# KiCad board sl_v4.kicad_pcb
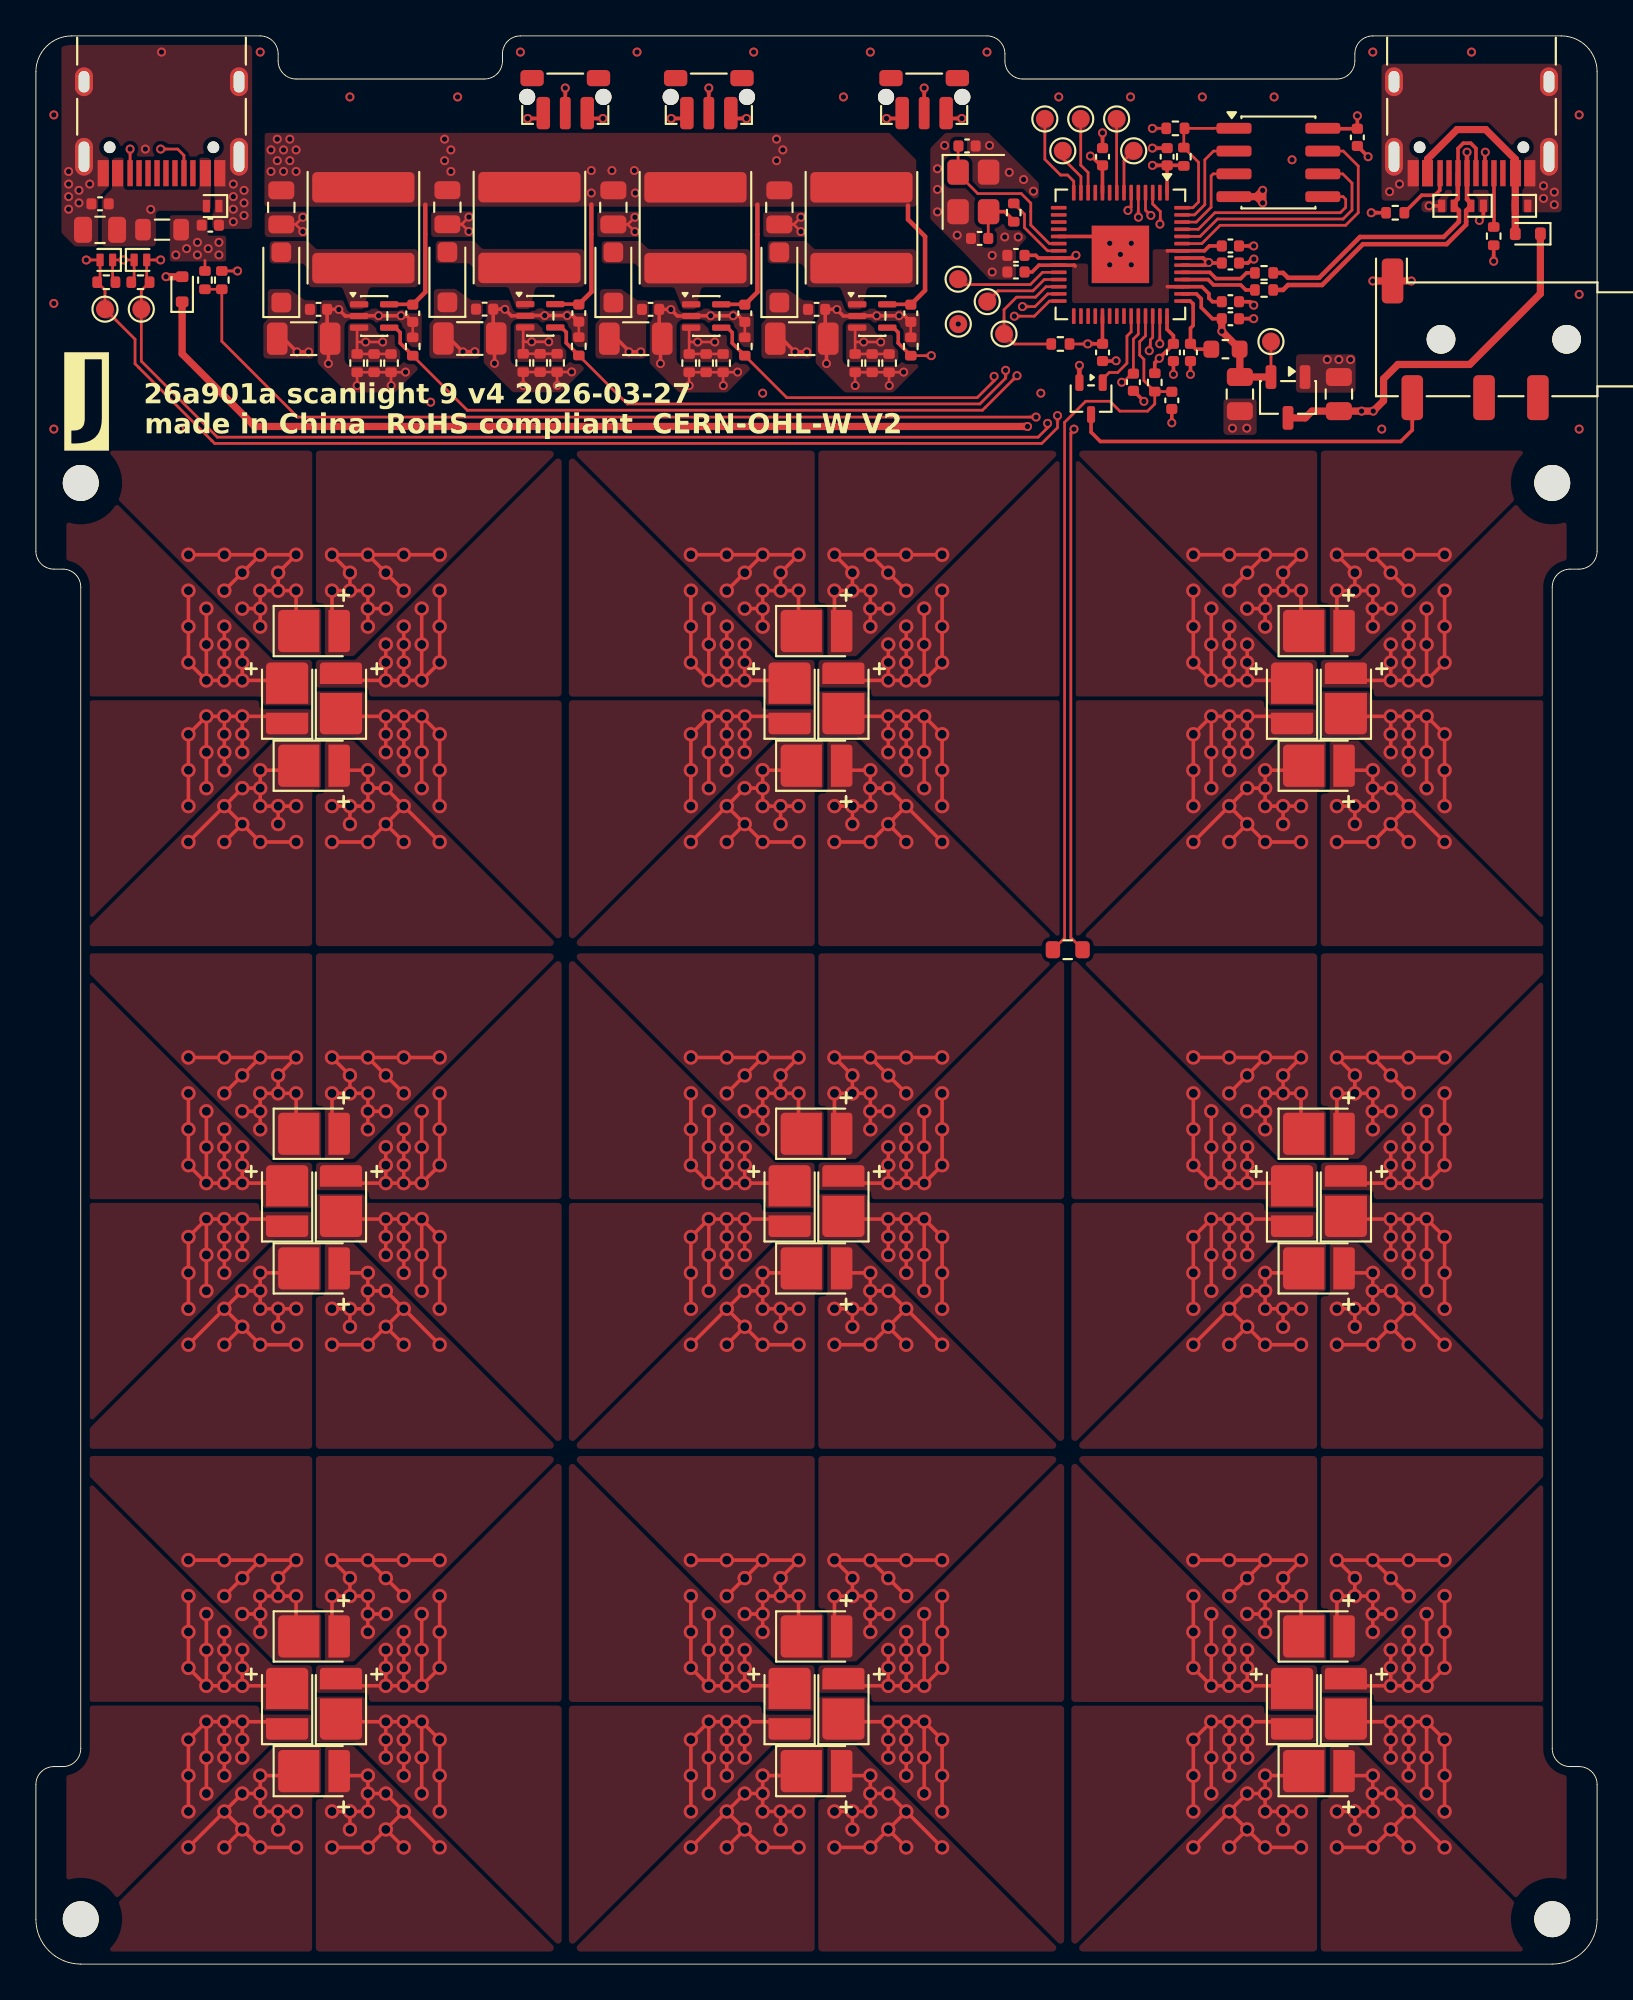
[diagram p0: board, top side]
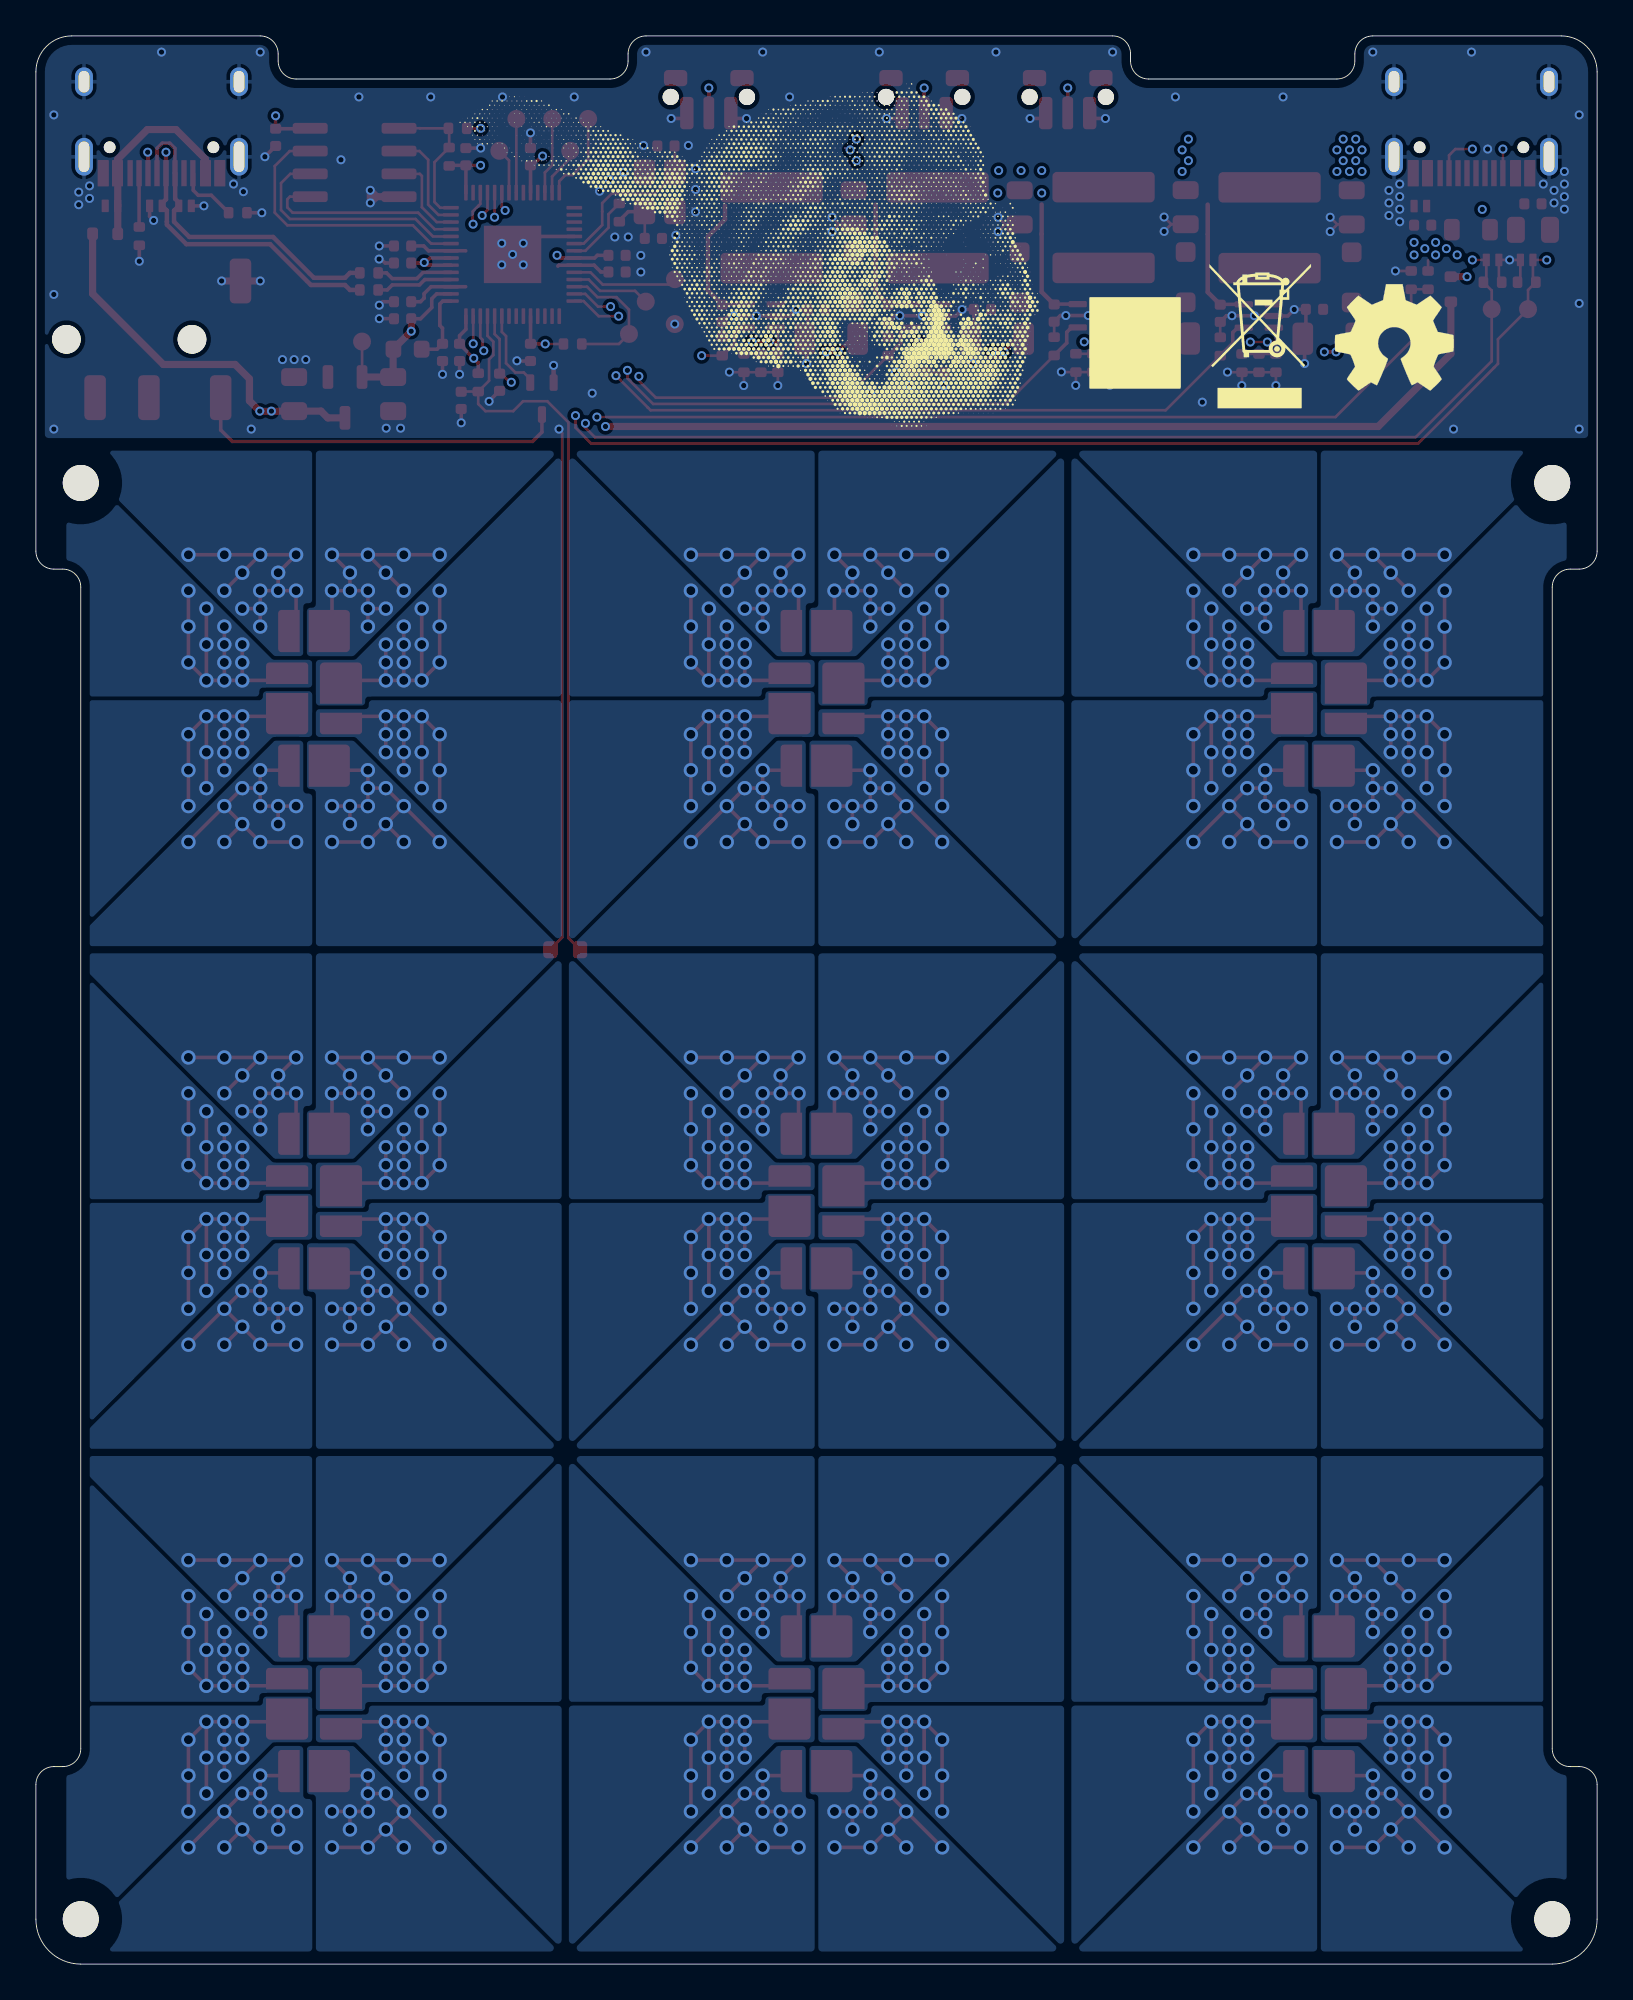
[diagram p1: board, bottom side, seen from below]

Outline 87 x 107.4 mm; copper layers: Top, In1.Cu, In2.Cu, Bottom. Coordinates in mm from the lower left corner of the outline.
Outline path: 0,105.4 arc(0.59,106.81) 2,107.4 12.5,107.4 arc(13.21,107.11) 13.5,106.4 13.5,106 arc(13.79,105.29) 14.5,105 25,105 arc(25.71,105.29) 26,106 26,106.4 arc(26.29,107.11) 27,107.4 53,107.4 arc(53.71,107.11) 54,106.4 54,106 arc(54.29,105.29) 55,105 72.5,105 arc(73.21,105.29) 73.5,106 73.5,106.4 arc(73.79,107.11) 74.5,107.4 85,107.4 arc(86.41,106.81) 87,105.4 87,78.7 arc(86.71,77.99) 86,77.7 85.5,77.7 arc(84.79,77.41) 84.5,76.7 84.5,12 arc(84.79,11.29) 85.5,11 86,11 arc(86.71,10.71) 87,10 87,2.5 arc(86.27,0.73) 84.5,0 2.5,0 arc(0.73,0.73) 0,2.5 0,10 arc(0.29,10.71) 1,11 1.5,11 arc(2.21,11.29) 2.5,12 2.5,76.7 arc(2.21,77.41) 1.5,77.7 1,77.7 arc(0.29,77.99) 0,78.7 0,105.4
Stack: Top 0.035mm / dielectric 0.1mm FR4 er 4.5 / In1.Cu 0.035mm / dielectric 1.24mm FR4 er 4.5 / In2.Cu 0.035mm / dielectric 0.1mm FR4 er 4.5 / Bottom 0.035mm

## Placement (name value [footprint] x y rotation side)
C101  0.1u  [C_0402_1005Metric]  66.57 95.7 0 top
C102  0.1u  [C_0402_1005Metric]  54.62 94.25 180 top
C103  0.1u  [C_0402_1005Metric]  59.44 89.77 270 top
C104  0.1u  [C_0402_1005Metric]  54.62 95.17 180 top
C105  0.1u  [C_0402_1005Metric]  63.39 89.77 270 top
C106  0.1u  [C_0402_1005Metric]  59.44 100.67 90 top
C107  0.1u  [C_0402_1005Metric]  66.56 94.75 0 top
C108  0.1u  [C_0402_1005Metric]  63.04 100.67 90 top
C109  2.2u  [C_0402_1005Metric]  66.56 92.59 0 top
C110  2.2u  [C_0402_1005Metric]  66.57 91.64 0 top
C111  2.2u  [C_0402_1005Metric]  64.34 89.77 270 top
C112  2.2u  [C_0402_1005Metric]  73.64 101.75 270 top
C113  15p  [C_0402_1005Metric]  51.89 101.27 180 top
C114  15p  [C_0402_1005Metric]  52.59 96.12 0 top
C115  0.1u  [C_0402_1005Metric]  61.16 88.11 270 top
C116  0.1u  [C_0402_1005Metric]  63.3 87.1 270 top
C201  10u  [C_0805_2012Metric]  3.58 96.6 180 top
C202  0.1u  [C_0402_1005Metric]  3.58 98.05 180 top
C203  10u  [C_0805_2012Metric]  72.61 87.45 90 top
C204  10u  [C_0805_2012Metric]  67.09 87.45 270 top
C205  0.1u  [C_0402_1005Metric]  9.72 96.86 0 top
C301  10u  [C_0805_2012Metric]  13.67 97.85 270 top
C302  2.2u  [C_0402_1005Metric]  21 91.95 270 top
C303  0.1u  [C_0402_1005Metric]  15.75 92.17 0 top
C304  4.7u  [C_1206_3216Metric]  14.92 90.53 0 top
C401  10u  [C_0805_2012Metric]  22.93 97.86 270 top
C402  2.2u  [C_0402_1005Metric]  30.25 91.96 270 top
C403  0.1u  [C_0402_1005Metric]  25 92.18 0 top
C404  4.7u  [C_1206_3216Metric]  24.18 90.55 0 top
C501  10u  [C_0805_2012Metric]  32.18 97.85 270 top
C502  2.2u  [C_0402_1005Metric]  39.5 91.95 270 top
C503  0.1u  [C_0402_1005Metric]  34.25 92.17 0 top
C504  4.7u  [C_1206_3216Metric]  33.43 90.53 0 top
C601  10u  [C_0805_2012Metric]  41.43 97.85 270 top
C602  2.2u  [C_0402_1005Metric]  48.75 91.95 270 top
C603  0.1u  [C_0402_1005Metric]  43.5 92.17 0 top
C604  4.7u  [C_1206_3216Metric]  42.68 90.53 0 top
D201  H5VL10B  [D_SOD-882]  9.85 97.92 180 top
D202  H5VL10B  [D_SOD-882]  3.92 94.92 180 top
D203  H5VL10B  [D_SOD-882]  5.82 94.92 0 top
D204  SD103AWT  [D_SOD-523]  8.15 93.29 90 top
D205  SD103AWT  [D_SOD-523]  83.14 96.38 180 top
D206  H3V3U10B  [D_SOD-882]  78.69 97.93 0 top
D207  H3V3U10B  [D_SOD-882]  80.31 97.93 180 top
D208  H5VL10B  [D_SOD-882]  82.79 97.93 180 top
D301  DSL14  [D_SOD-123F]  13.68 93.95 90 top
D401  DSL14  [D_SOD-123F]  22.93 93.96 90 top
D501  DSL14  [D_SOD-123F]  32.18 93.95 90 top
D601  DSL14  [D_SOD-123F]  41.43 93.95 90 top
D801  red  [LED_2835_Reversed_Red_compact]  70 70.5 90 top
D802  green  [LED_2835_compact]  71.5 74.25 0 top
D803  blue  [LED_2835_compact]  73 70.5 90 top
D804  white  [LED_2835_compact]  71.5 66.75 0 top
D901  red  [LED_2835_Reversed_Red_compact]  70 42.5 90 top
D902  green  [LED_2835_compact]  71.5 46.25 0 top
D903  blue  [LED_2835_compact]  73 42.5 90 top
D904  white  [LED_2835_compact]  71.5 38.75 0 top
D1001  red  [LED_2835_Reversed_Red_compact]  70 14.5 90 top
D1002  green  [LED_2835_compact]  71.5 18.25 0 top
D1003  blue  [LED_2835_compact]  73 14.5 90 top
D1004  white  [LED_2835_compact]  71.5 10.75 0 top
D1101  red  [LED_2835_Reversed_Red_compact]  42 70.5 90 top
D1102  green  [LED_2835_compact]  43.5 74.25 0 top
D1103  blue  [LED_2835_compact]  45 70.5 90 top
D1104  white  [LED_2835_compact]  43.5 66.75 0 top
D1201  red  [LED_2835_Reversed_Red_compact]  42 42.5 90 top
D1202  green  [LED_2835_compact]  43.5 46.25 0 top
D1203  blue  [LED_2835_compact]  45 42.5 90 top
D1204  white  [LED_2835_compact]  43.5 38.75 0 top
D1301  red  [LED_2835_Reversed_Red_compact]  42 14.5 90 top
D1302  green  [LED_2835_compact]  43.5 18.25 0 top
D1303  blue  [LED_2835_compact]  45 14.5 90 top
D1304  white  [LED_2835_compact]  43.5 10.75 0 top
D1401  red  [LED_2835_Reversed_Red_compact]  14 70.5 90 top
D1402  green  [LED_2835_compact]  15.5 74.25 0 top
D1403  blue  [LED_2835_compact]  17 70.5 90 top
D1404  white  [LED_2835_compact]  15.5 66.75 0 top
D1501  red  [LED_2835_Reversed_Red_compact]  14 42.5 90 top
D1502  green  [LED_2835_compact]  15.5 46.25 0 top
D1503  blue  [LED_2835_compact]  17 42.5 90 top
D1504  white  [LED_2835_compact]  15.5 38.75 0 top
D1601  red  [LED_2835_Reversed_Red_compact]  14 14.5 90 top
D1602  green  [LED_2835_compact]  15.5 18.25 0 top
D1603  blue  [LED_2835_compact]  17 14.5 90 top
D1604  white  [LED_2835_compact]  15.5 10.75 0 top
FB101  600ohm@100MHz  [L_0603_1608Metric]  66.29 89.95 180 top
FB201  120ohm@100MHz  [L_0805_2012Metric]  7.03 96.61 0 top
H101  M2 clearance hole, close fit  [MountingHole_2.2mm_M2_Mask_tight]  2.5 82.5 0 top
H102  M2 clearance hole, close fit  [MountingHole_2.2mm_M2_Mask_tight]  84.5 82.5 0 top
H103  M2 clearance hole, close fit  [MountingHole_2.2mm_M2_Mask_tight]  2.5 2.5 0 top
H104  M2 clearance hole, close fit  [MountingHole_2.2mm_M2_Mask_tight]  84.5 2.5 0 top
J101  PJ-320D-4A  [Jack_3.5mm_KoreanHropartsElec_PJ-320D-4A_Horizontal]  80.55 90.5 180 top
J201  TYPE-C-31-M-12  [USB_C_Receptacle_HRO_TYPE-C-31-M-12]  7 103.8 180 top
J202  TYPE-C-31-M-12  [USB_C_Receptacle_HRO_TYPE-C-31-M-12]  80 103.8 180 top
L301  27u  [L_Sunlord_SWPA6028S]  18.25 96.72 270 top
L401  27u  [L_Sunlord_SWPA6028S]  27.5 96.72 270 top
L501  27u  [L_Sunlord_SWPA6028S]  36.75 96.72 270 top
L601  27u  [L_Sunlord_SWPA6028S]  46 96.72 270 top
Q101  BSS138  [SOT-323_SC-70]  58.8 87.2 270 top
R101  27  [R_0402_1005Metric]  68.44 93.25 0 top
R102  27  [R_0402_1005Metric]  68.44 94.2 180 top
R103  1k  [R_0402_1005Metric]  63.5 102.25 0 top
R104  1k  [R_0402_1005Metric]  57.09 90.24 0 top
R105  5.1k  [R_0402_1005Metric]  63.97 100.67 90 top
R106  1k  [R_0402_1005Metric]  54.49 97.56 90 top
R107  5.1k  [R_0402_1005Metric]  9.42 93.8 90 top
R108  5.1k  [R_0402_1005Metric]  10.36 93.8 90 top
R109  5.1k  [R_0402_1005Metric]  62.35 88.1 270 top
R203  5.1k  [R_0402_1005Metric]  3.92 93.68 180 top
R204  5.1k  [R_0402_1005Metric]  5.83 93.68 180 top
R205  5.1k  [R_0402_1005Metric]  75.75 97.55 0 top
R206  5.1k  [R_0402_1005Metric]  81.24 96.25 270 top
R301  20k  [R_0402_1005Metric]  21 90.1 90 top
R302  6.8  [R_0402_1005Metric]  18.84 89.17 270 top
R303  6.8  [R_0402_1005Metric]  17.9 89.17 270 top
R304  6.8  [R_0402_1005Metric]  19.79 89.17 270 top
R401  20k  [R_0402_1005Metric]  30.25 90.11 90 top
R402  6.8  [R_0402_1005Metric]  27.15 89.19 270 top
R403  6.8  [R_0402_1005Metric]  29.04 89.19 270 top
R404  6.8  [R_0402_1005Metric]  28.1 89.19 270 top
R501  20k  [R_0402_1005Metric]  39.5 90.1 90 top
R502  6.8  [R_0402_1005Metric]  38.29 89.17 270 top
R503  6.8  [R_0402_1005Metric]  36.4 89.17 270 top
R504  6.8  [R_0402_1005Metric]  37.35 89.17 270 top
R601  20k  [R_0402_1005Metric]  48.75 90.1 90 top
R602  6.8  [R_0402_1005Metric]  45.65 89.17 270 top
R603  6.8  [R_0402_1005Metric]  46.6 89.17 270 top
R604  6.8  [R_0402_1005Metric]  47.54 89.17 270 top
REF**  -  [WEEE-Logo_5.6x8mm_SilkScreen]  18.78 90.69 180 bottom
REF**#2  -  [OSHW-Symbol_6.7x6mm_SilkScreen]  11.31 90.59 180 bottom
SW101  SKRTLAE010  [SW_Push_1P1T-MP_NO_Horizontal_Alps_SKRTLAE010]  29.5 104 180 top
SW102  SKRTLAE010  [SW_Push_1P1T-MP_NO_Horizontal_Alps_SKRTLAE010]  37.5 104 180 top
SW103  SKRTLAE010  [SW_Push_1P1T-MP_NO_Horizontal_Alps_SKRTLAE010]  49.5 104 180 top
TH101  10k@25C beta=3380  [R_0603_1608Metric]  57.5 56.5 0 top
TP101  TestPoint  [TestPoint_Pad_D1.0mm]  68.83 90.38 0 top
TP102  TestPoint  [TestPoint_Pad_D1.0mm]  53.95 90.8 0 top
TP103  TestPoint  [TestPoint_Pad_D1.0mm]  51.4 91.35 0 top
TP104  TestPoint  [TestPoint_Pad_D1.0mm]  51.39 93.85 0 top
TP105  TestPoint  [TestPoint_Pad_D1.0mm]  53.02 92.6 45 top
TP106  TestPoint  [TestPoint_Pad_D1.0mm]  61.17 101 0 top
TP107  TestPoint  [TestPoint_Pad_D1.0mm]  60.22 102.78 0 top
TP108  TestPoint  [TestPoint_Pad_D1.0mm]  58.22 102.78 0 top
TP109  TestPoint  [TestPoint_Pad_D1.0mm]  57.22 101 0 top
TP110  TestPoint  [TestPoint_Pad_D1.0mm]  56.22 102.78 0 top
TP201  TestPoint  [TestPoint_Pad_D1.0mm]  5.88 92.18 0 top
TP202  TestPoint  [TestPoint_Pad_D1.0mm]  3.85 92.18 0 top
U101  W25Q16JVSNIQ  [SOIC-8_3.9x4.9mm_P1.27mm]  69.24 100.35 0 top
U102  RP2040  [QFN-56-1EP_7x7mm_P0.4mm_EP3.2x3.2mm]  60.44 95.23 270 top
U201  XC6206P332MR-G  [SOT-23-3]  69.77 87.26 270 top
U301  TPS61169  [SOT-353_SC-70-5]  18.85 91.8 0 top
U401  TPS61169  [SOT-353_SC-70-5]  28.1 91.81 0 top
U501  TPS61169  [SOT-353_SC-70-5]  37.35 91.8 0 top
U601  TPS61169  [SOT-353_SC-70-5]  46.6 91.8 0 top
Y101  ABM8-272-T3  [Crystal_SMD_Abracon_ABM8G-4Pin_3.2x2.5mm]  52.24 98.71 270 top

## Library data of the parts
C101-C108 C115 C116 C202 C205 C303 C403 C503 C603 = -: KiLib_Generator: iND87204 Critical; MPN: CL05B104KB54PNC; Non-Critical: Y; LCSC: C307331; JLCPCB Basic: Y; Category: iND87204 Critical; ki_fp_filters: C_*
C109-C112 C302 C402 C502 C602 = -: KiLib_Generator: C12530; MPN: CL05A225MQ5NSNC; JLCPCB Basic: Y; LCSC: C12530; ki_fp_filters: C_*
C113 C114 = -: KiLib_Generator: 0402CG150J500NT; LCSC: C1548; JLCPCB Basic: Y; MPN: 0402CG150J500NT; ki_fp_filters: C_*
C201 C203 C204 C301 C401 C501 C601 = -: KiLib_Generator: CL21A106KAYNNNE; LCSC: C15850; JLCPCB Basic: Y; MPN: CL21A106KAYNNNE; ki_fp_filters: C_*
C304 C404 C604 = -: KiLib_Generator: 1206B475K500NT; LCSC: C29823; JLCPCB Basic: Y; MPN: 1206B475K500NT; ki_fp_filters: C_*
C504 = -: KiLib_Generator: C29823; MPN: 1206B475K500NT; JLCPCB Basic: Y; LCSC: C29823; ki_fp_filters: C_*
D201-D203 D208 = -: LCSC: C7420372; JLCPCB Basic: Y; ki_fp_filters: TO-???* *_Diode_* *SingleDiode* D_*
D204 D205 = -: LCSC: C22466357; JLCPCB Basic: Y; ki_fp_filters: TO-???* *_Diode_* *SingleDiode* D_*
D206 D207 = -: LCSC: C20615782; JLCPCB Basic: Y; ki_fp_filters: TO-???* *_Diode_* *SingleDiode* D_*
D301 D401 D501 D601 = -: LCSC: C22466349; JLCPCB Basic: Y; ki_fp_filters: TO-???* *_Diode_* *SingleDiode* D_*
D801 D901 D1001 D1101 D1201 D1301 D1401 D1501 D1601 = -: Description: Light emitting diode; MPN: HL-AS-2835D15FC-S1-08-PCT-ZW-P6; LCSC: C49435764; ki_fp_filters: LED* LED_SMD:* LED_THT:*
D802 D902 D1002 D1102 D1202 D1302 D1402 D1502 D1602 = -: Description: Light emitting diode; MPN: TJ-S2835UG5W8TLC2G-A5; LCSC: C440451; ki_fp_filters: LED* LED_SMD:* LED_THT:*
D803 D903 D1003 D1103 D1203 D1303 D1403 D1503 D1603 = -: Description: Light emitting diode; MPN: TJ-S2835UG5W8TLC6B-A5; LCSC: C440452; ki_fp_filters: LED* LED_SMD:* LED_THT:*
D804 D904 D1004 D1104 D1204 D1304 D1404 D1504 D1604 = -: Description: Light emitting diode; MPN: HL-AM-2835H421W-S1-08-HR6(SDCM<6)(4750K-5300K)60mA; LCSC: C516133; ki_fp_filters: LED* LED_SMD:* LED_THT:*
FB101 = -: KiLib_Generator: C1002; MPN: GZ1608D601TF; JLCPCB Basic: Y; LCSC: C1002; ki_fp_filters: Inductor_* L_* *Ferrite*
FB201 = -: KiLib_Generator: UPZ2012E121-4R0TF; LCSC: C97001; MPN: UPZ2012E121-4R0TF; ki_fp_filters: Inductor_* L_* *Ferrite*
H101-H104 = -: Description: Mounting Hole without connection; ki_fp_filters: MountingHole*
J101 = -: LCSC: C95562; ki_fp_filters: Jack*
J201 J202 = -: Datasheet: https://jlcpcb.com/api/file/downloadByFileSystemAccessId/8550723676069908480; LCSC: C165948; ki_fp_filters: USB*C*Receptacle*
L301 L401 L501 L601 = -: KiLib_Generator: CR6028-270M; LCSC: C7588756; MPN: CR6028-270M; ki_fp_filters: Choke_* *Coil* Inductor_* L_*
Q101 = -: Datasheet: https://www.onsemi.com/pub/Collateral/BSS138-D.PDF; KiLib_Generator: package/gullwing; LCSC: C28646265; MPN: BSS138W; JLCPCB Basic: Y; ki_fp_filters: SOT?23*
R101 R102 = -: Description: RES THICK FILM 1%; KiLib_Generator: 0402WGF270JTCE; LCSC: C25100; MPN: 0402WGF270JTCE; ki_fp_filters: R_*
R103 R104 R106 = -: Description: RES THICK FILM 1%; KiLib_Generator: 0402WGF1001TCE; LCSC: C11702; JLCPCB Basic: Y; MPN: 0402WGF1001TCE; ki_fp_filters: R_*
R105 R108 R109 R203-R206 = -: Description: RES THICK FILM 1%; KiLib_Generator: C25905; MPN: 0402WGF5101TCE; JLCPCB Basic: Y; LCSC: C25905; ki_fp_filters: R_*
R107 = -: Description: RES THICK FILM 1%; KiLib_Generator: 0402WGF5101TCE; LCSC: C25905; JLCPCB Basic: Y; MPN: 0402WGF5101TCE; ki_fp_filters: R_*
R301 R401 R501 R601 = -: Description: RES THICK FILM 1%; KiLib_Generator: 0402WGF2002TCE; LCSC: C25765; JLCPCB Basic: Y; MPN: 0402WGF2002TCE; ki_fp_filters: R_*
R302-R304 R402-R404 R502-R504 R602-R604 = -: Description: RES THICK FILM 1%; KiLib_Generator: C2092530; MPN: CRCW04026R80FKED; LCSC: C2092530; ki_fp_filters: R_*
SW101-SW103 = -: Datasheet: https://jlcpcb.com/api/file/downloadByFileSystemAccessId/8550724022091735041; LCSC: C318884; MPN: TS-1187A-B-A-B; JLCPCB Basic: Y
TH101 = -: Description: Temperature dependent resistor, negative temperature coefficient, US symbol; KiLib_Generator: SMD_2terminal_chip_molded; MPN: NCP18XH103F03RB; LCSC: C13564; ki_fp_filters: *NTC* *Thermistor* PIN?ARRAY* bornier* *Terminal?Block* R_*
TP101-TP110 TP201 TP202 = -: Description: test point; ki_fp_filters: Pin* Test*
U101 = -: Datasheet: https://www.winbond.com/hq/support/documentation/levelOne.jsp?__locale=en&DocNo=DA00-W25Q16JV.1; KiLib_Generator: package/gullwing; LCSC: C2456211; ki_fp_filters: *SOIC*5.3x5.3mm*P1.27mm*
U102 = -: Datasheet: https://datasheets.raspberrypi.com/rp2040/rp2040-datasheet.pdf; KiLib_Generator: package/no_lead; LCSC: C2040; ki_fp_filters: QFN*1EP*7x7mm?P0.4mm*
U201 = -: Datasheet: https://www.torexsemi.com/file/xc6206/XC6206.pdf; Description: Positive 60-250mA Low Dropout Regulator, Fixed Output, SOT-23; KiLib_Generator: package/gullwing; LCSC: C5446; ki_fp_filters: SOT?23?3*
U301 U401 U501 U601 = -: Datasheet: https://www.ti.com/lit/ds/symlink/tps61169.pdf; KiLib_Generator: package/gullwing; LCSC: C71045; MPN: TPS61169DCKR; ki_fp_filters: SOT?23*
Y101 = -: KiLib_Generator: crystal_resonator_oscillator; LCSC: C20625731; ki_fp_filters: Crystal*

## Footprints (pads in the part's own frame, mm; a bottom-side part is the same pattern mirrored in y, then rotated)
C_0402_1005Metric
  rrect 0.56x0.62 smd: 1(-0.48,0) 2(0.48,0)
C_0805_2012Metric
  rrect 1x1.45 smd: 1(-0.95,0) 2(0.95,0)
C_1206_3216Metric
  rrect 1.15x1.8 smd: 1(-1.475,0) 2(1.475,0)
Crystal_SMD_Abracon_ABM8G-4Pin_3.2x2.5mm
  rrect 1.4x1.2 smd: 1(-1.1,-0.85) 2(1.1,-0.85) 3(1.1,0.85) 4(-1.1,0.85)
D_SOD-123F
  rrect 1.1x1.1 smd: 1(-1.4,0) 2(1.4,0)
D_SOD-523
  rrect 0.6x0.7 smd: 1(-0.7,0) 2(0.7,0)
D_SOD-882
  rrect 0.3x0.6 smd: (-0.35,0) (0.35,0)
  rrect 0.4x0.7 smd: 1(-0.35,0) 2(0.35,0)
Jack_3.5mm_KoreanHropartsElec_PJ-320D-4A_Horizontal
  round 1.6 hole 1.6 unplated: (-4.75,0) (2.25,0)
  rrect 1.2x2.5 smd: R1(-0.15,3.25) R2(-3.15,3.25) S(4.95,-3.25) T(3.85,3.25)
L_0603_1608Metric
  rrect 0.875x0.95 smd: 1(-0.787,0) 2(0.787,0)
L_0805_2012Metric
  rrect 0.875x1.2 smd: 1(-1.062,0) 2(1.062,0)
L_Sunlord_SWPA6028S
  rrect 1.7x5.7 smd: 1(-2.25,0) 2(2.25,0)
LED_2835_compact
  rrect 2.3x2.35 smd: 1(-0.85,0)
  rrect 1.2x2.35 smd: 2(1.4,0)
LED_2835_Reversed_Red_compact
  rrect 2.3x2.35 smd: 1(0.85,0)
  rrect 1.2x2.35 smd: 2(-1.4,0)
MountingHole_2.2mm_M2_Mask_tight
  round 2 hole 2.2 unplated: (0,0)
QFN-56-1EP_7x7mm_P0.4mm_EP3.2x3.2mm
  rrect 1.29x1.29 smd: (-0.8,0.8) (-0.8,-0.8) (0.8,0.8) (0.8,-0.8)
  rrect 0.875x0.2 smd: 1(-3.438,2.6) 2(-3.438,2.2) 3(-3.438,1.8) 4(-3.438,1.4) 5(-3.438,1) 6(-3.438,0.6) 7(-3.438,0.2) 8(-3.438,-0.2) 9(-3.438,-0.6) 10(-3.438,-1) 11(-3.438,-1.4) 12(-3.438,-1.8) 13(-3.438,-2.2) 14(-3.438,-2.6) 29(3.438,-2.6) 30(3.438,-2.2) 31(3.438,-1.8) 32(3.438,-1.4) 33(3.438,-1) 34(3.438,-0.6) 35(3.438,-0.2) 36(3.438,0.2) 37(3.438,0.6) 38(3.438,1) 39(3.438,1.4) 40(3.438,1.8) 41(3.438,2.2) 42(3.438,2.6)
  rrect 0.2x0.875 smd: 15(-2.6,-3.438) 16(-2.2,-3.438) 17(-1.8,-3.438) 18(-1.4,-3.438) 19(-1,-3.438) 20(-0.6,-3.438) 21(-0.2,-3.438) 22(0.2,-3.438) 23(0.6,-3.438) 24(1,-3.438) 25(1.4,-3.438) 26(1.8,-3.438) 27(2.2,-3.438) 28(2.6,-3.438) 43(2.6,3.438) 44(2.2,3.438) 45(1.8,3.438) 46(1.4,3.438) 47(1,3.438) 48(0.6,3.438) 49(0.2,3.438) 50(-0.2,3.438) 51(-0.6,3.438) 52(-1,3.438) 53(-1.4,3.438) 54(-1.8,3.438) 55(-2.2,3.438) 56(-2.6,3.438)
  rect 3.2x3.2 smd: 57(0,0)
R_0402_1005Metric
  rrect 0.54x0.64 smd: 1(-0.51,0) 2(0.51,0)
R_0603_1608Metric
  rrect 0.8x0.95 smd: 1(-0.825,0) 2(0.825,0)
SOIC-8_3.9x4.9mm_P1.27mm
  rrect 1.95x0.6 smd: 1(-2.475,1.905) 2(-2.475,0.635) 3(-2.475,-0.635) 4(-2.475,-1.905) 5(2.475,-1.905) 6(2.475,-0.635) 7(2.475,0.635) 8(2.475,1.905)
SOT-23-3
  rrect 1.325x0.6 smd: 1(-1.137,0.95) 2(-1.137,-0.95) 3(1.137,0)
SOT-323_SC-70
  rrect 0.925x0.45 smd: 1(-0.887,0.65) 2(-0.887,-0.65) 3(0.887,0)
SOT-353_SC-70-5
  rrect 1.025x0.35 smd: 1(-0.838,0.65) 2(-0.838,0) 3(-0.838,-0.65) 4(0.838,-0.65) 5(0.838,0.65)
SW_Push_1P1T-MP_NO_Horizontal_Alps_SKRTLAE010
  round 0.9 hole 0.9 unplated: (-2.125,0) (2.125,0)
  rrect 0.75x1.8 smd: 1(-1.225,0.9) 1(1.225,0.9)
  rrect 0.6x1.8 smd: 2(0,0.9)
  rrect 1.3x0.9 smd: MP(-1.85,-1.05) MP(1.85,-1.05)
TestPoint_Pad_D1.0mm
  round 1 smd: 1(0,0)
USB_C_Receptacle_HRO_TYPE-C-31-M-12
  round 0.65 hole 0.65 unplated: (-2.89,2.6) (2.89,2.6)
  rect 0.6x1.45 smd: A1(-3.25,4.045) A4(-2.45,4.045) A9(2.45,4.045) A12(3.25,4.045) B1(3.25,4.045) B4(2.45,4.045) B9(-2.45,4.045) B12(-3.25,4.045)
  rect 0.3x1.45 smd: A5(-1.25,4.045) A6(-0.25,4.045) A7(0.25,4.045) A8(1.25,4.045) B5(1.75,4.045) B6(0.75,4.045) B7(-0.75,4.045) B8(-1.75,4.045)
  oval 1x2.1 hole 0.6x1.7: S1(-4.32,3.13) S1(4.32,3.13)
  oval 1x1.6 hole 0.6x1.2: S1(-4.32,-1.05) S1(4.32,-1.05)
